# Altium PCB mib-pcb0009.PcbDoc (part 1 of 2)
Units mm, origin at the board's own origin, x right, y up, seen from the top; angles counter-clockwise.
Board outline 112 x 82 mm, 4 copper layers (Top Layer, PWR, Signal_2, Bottom Layer), stack 1.57 mm thick; 199 components, 128 nets, 565 pads, 389 vias.
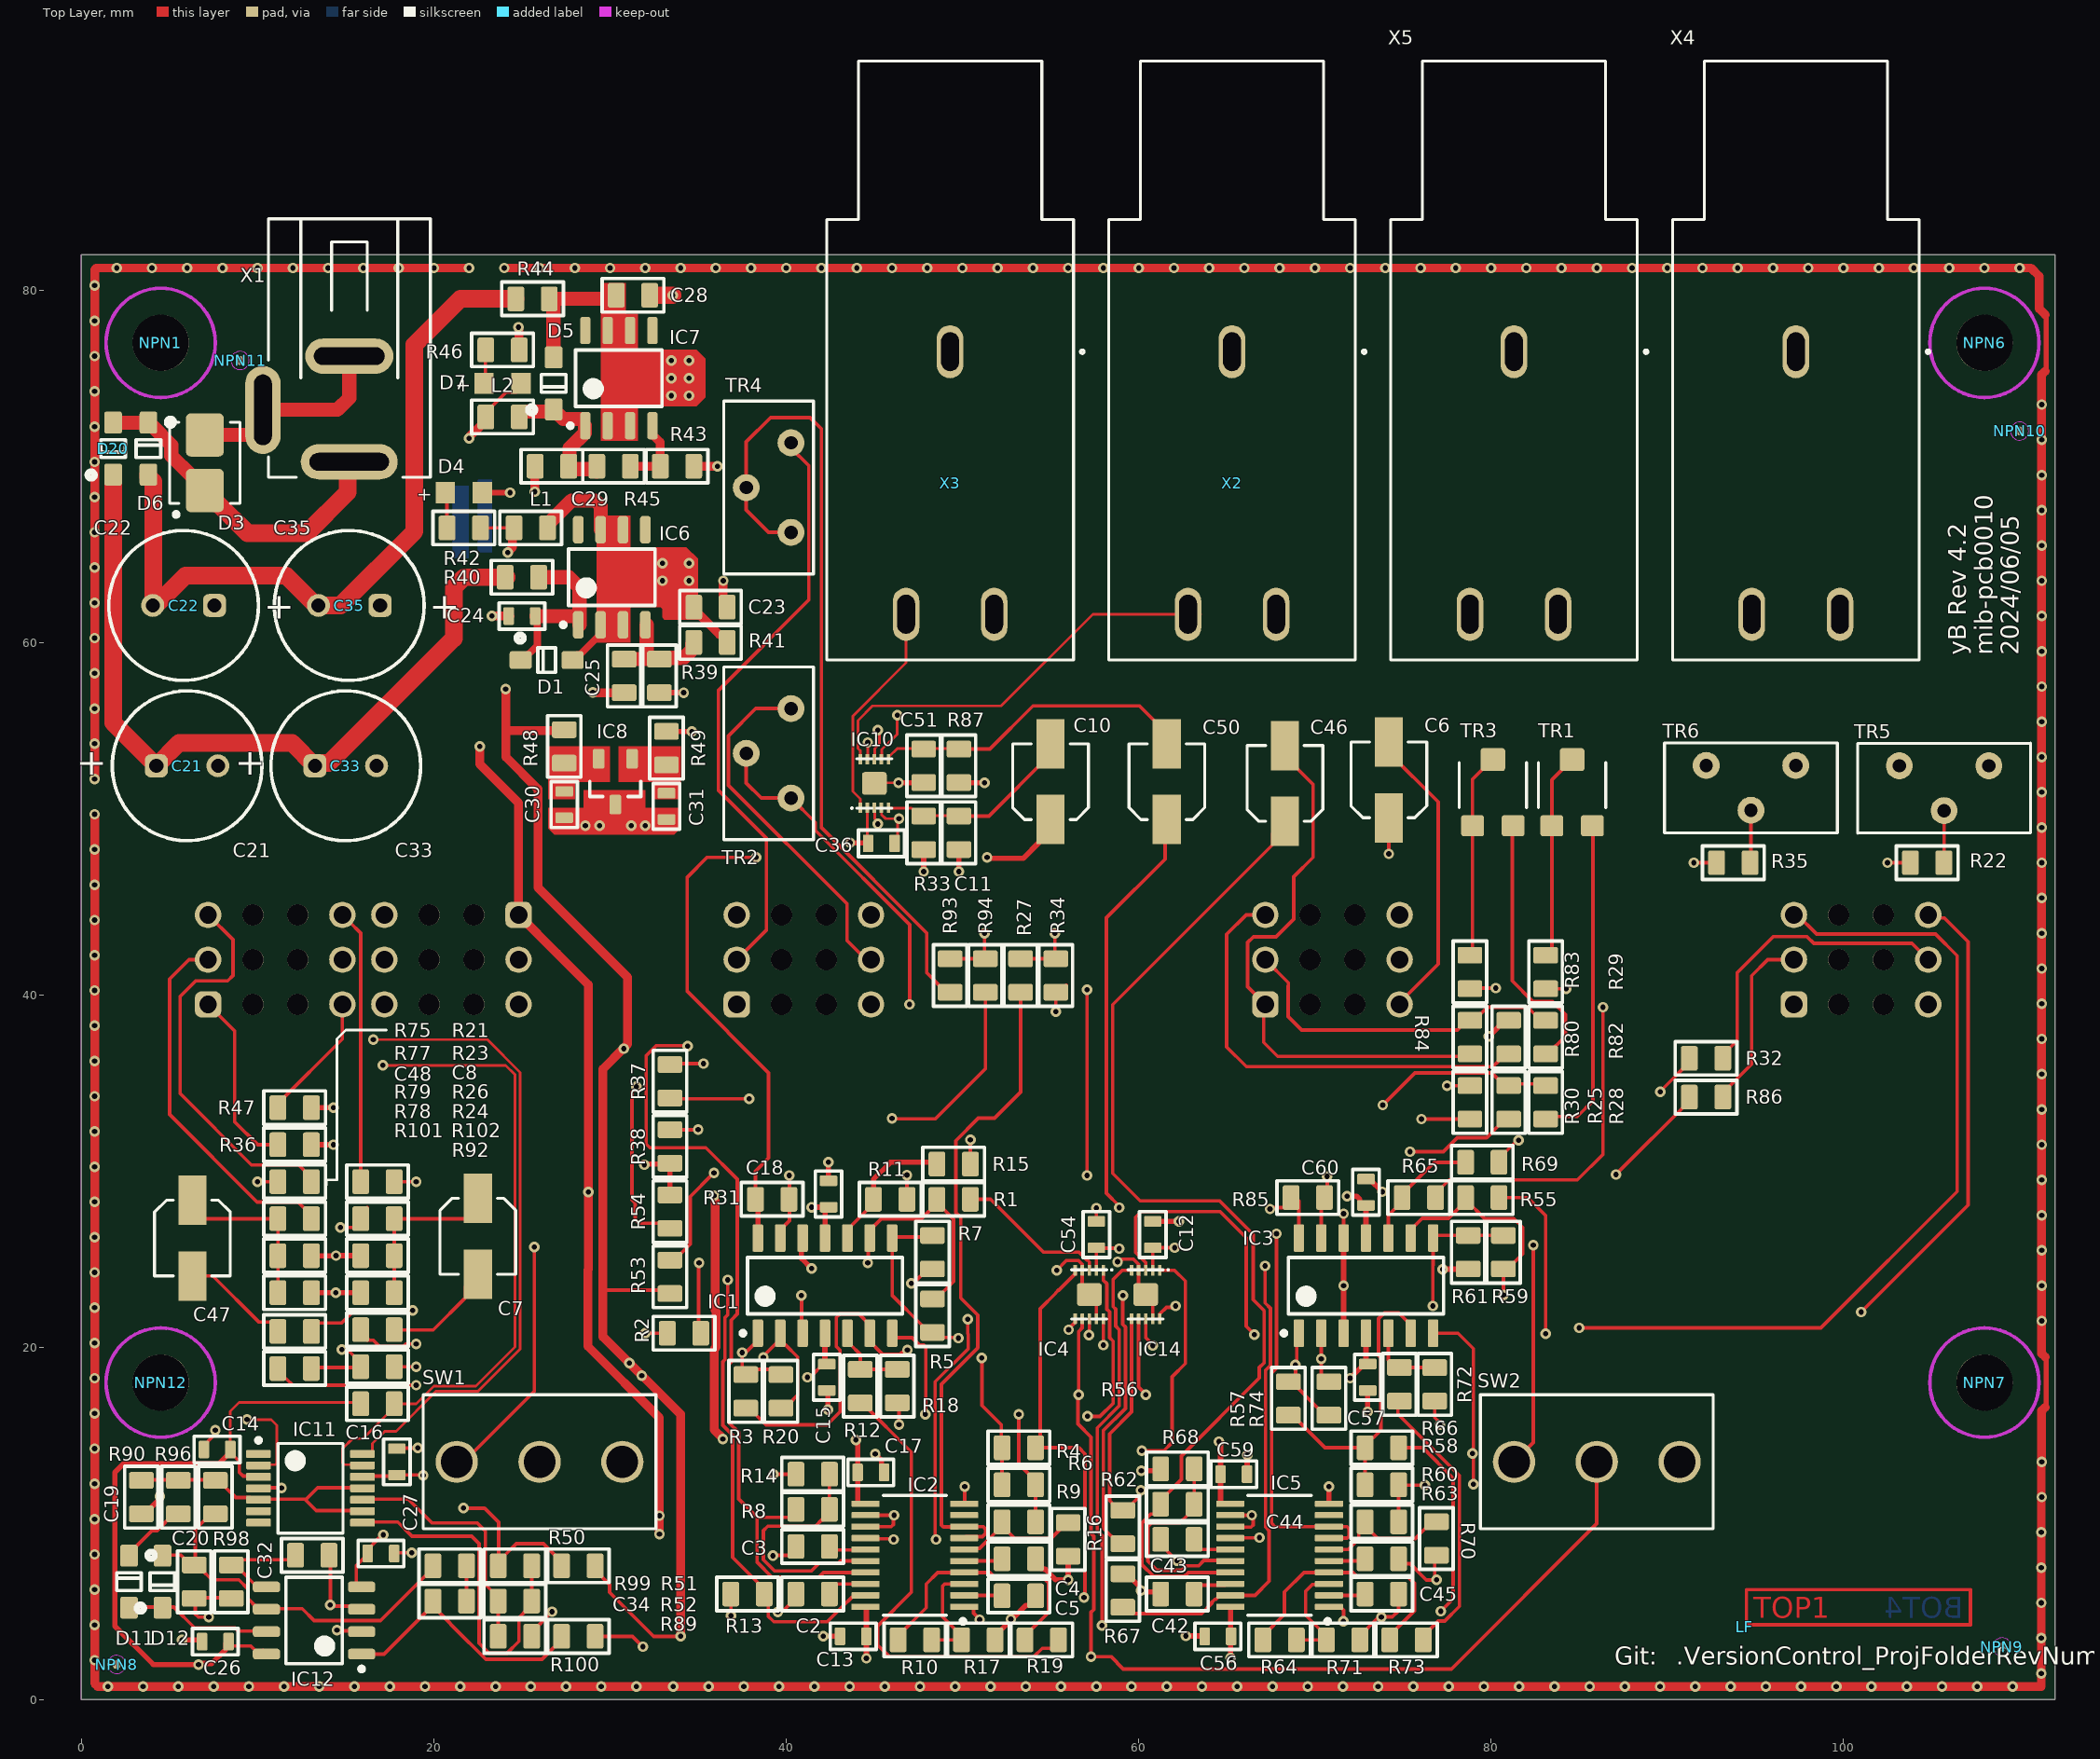
[diagram p0: Top Layer view]
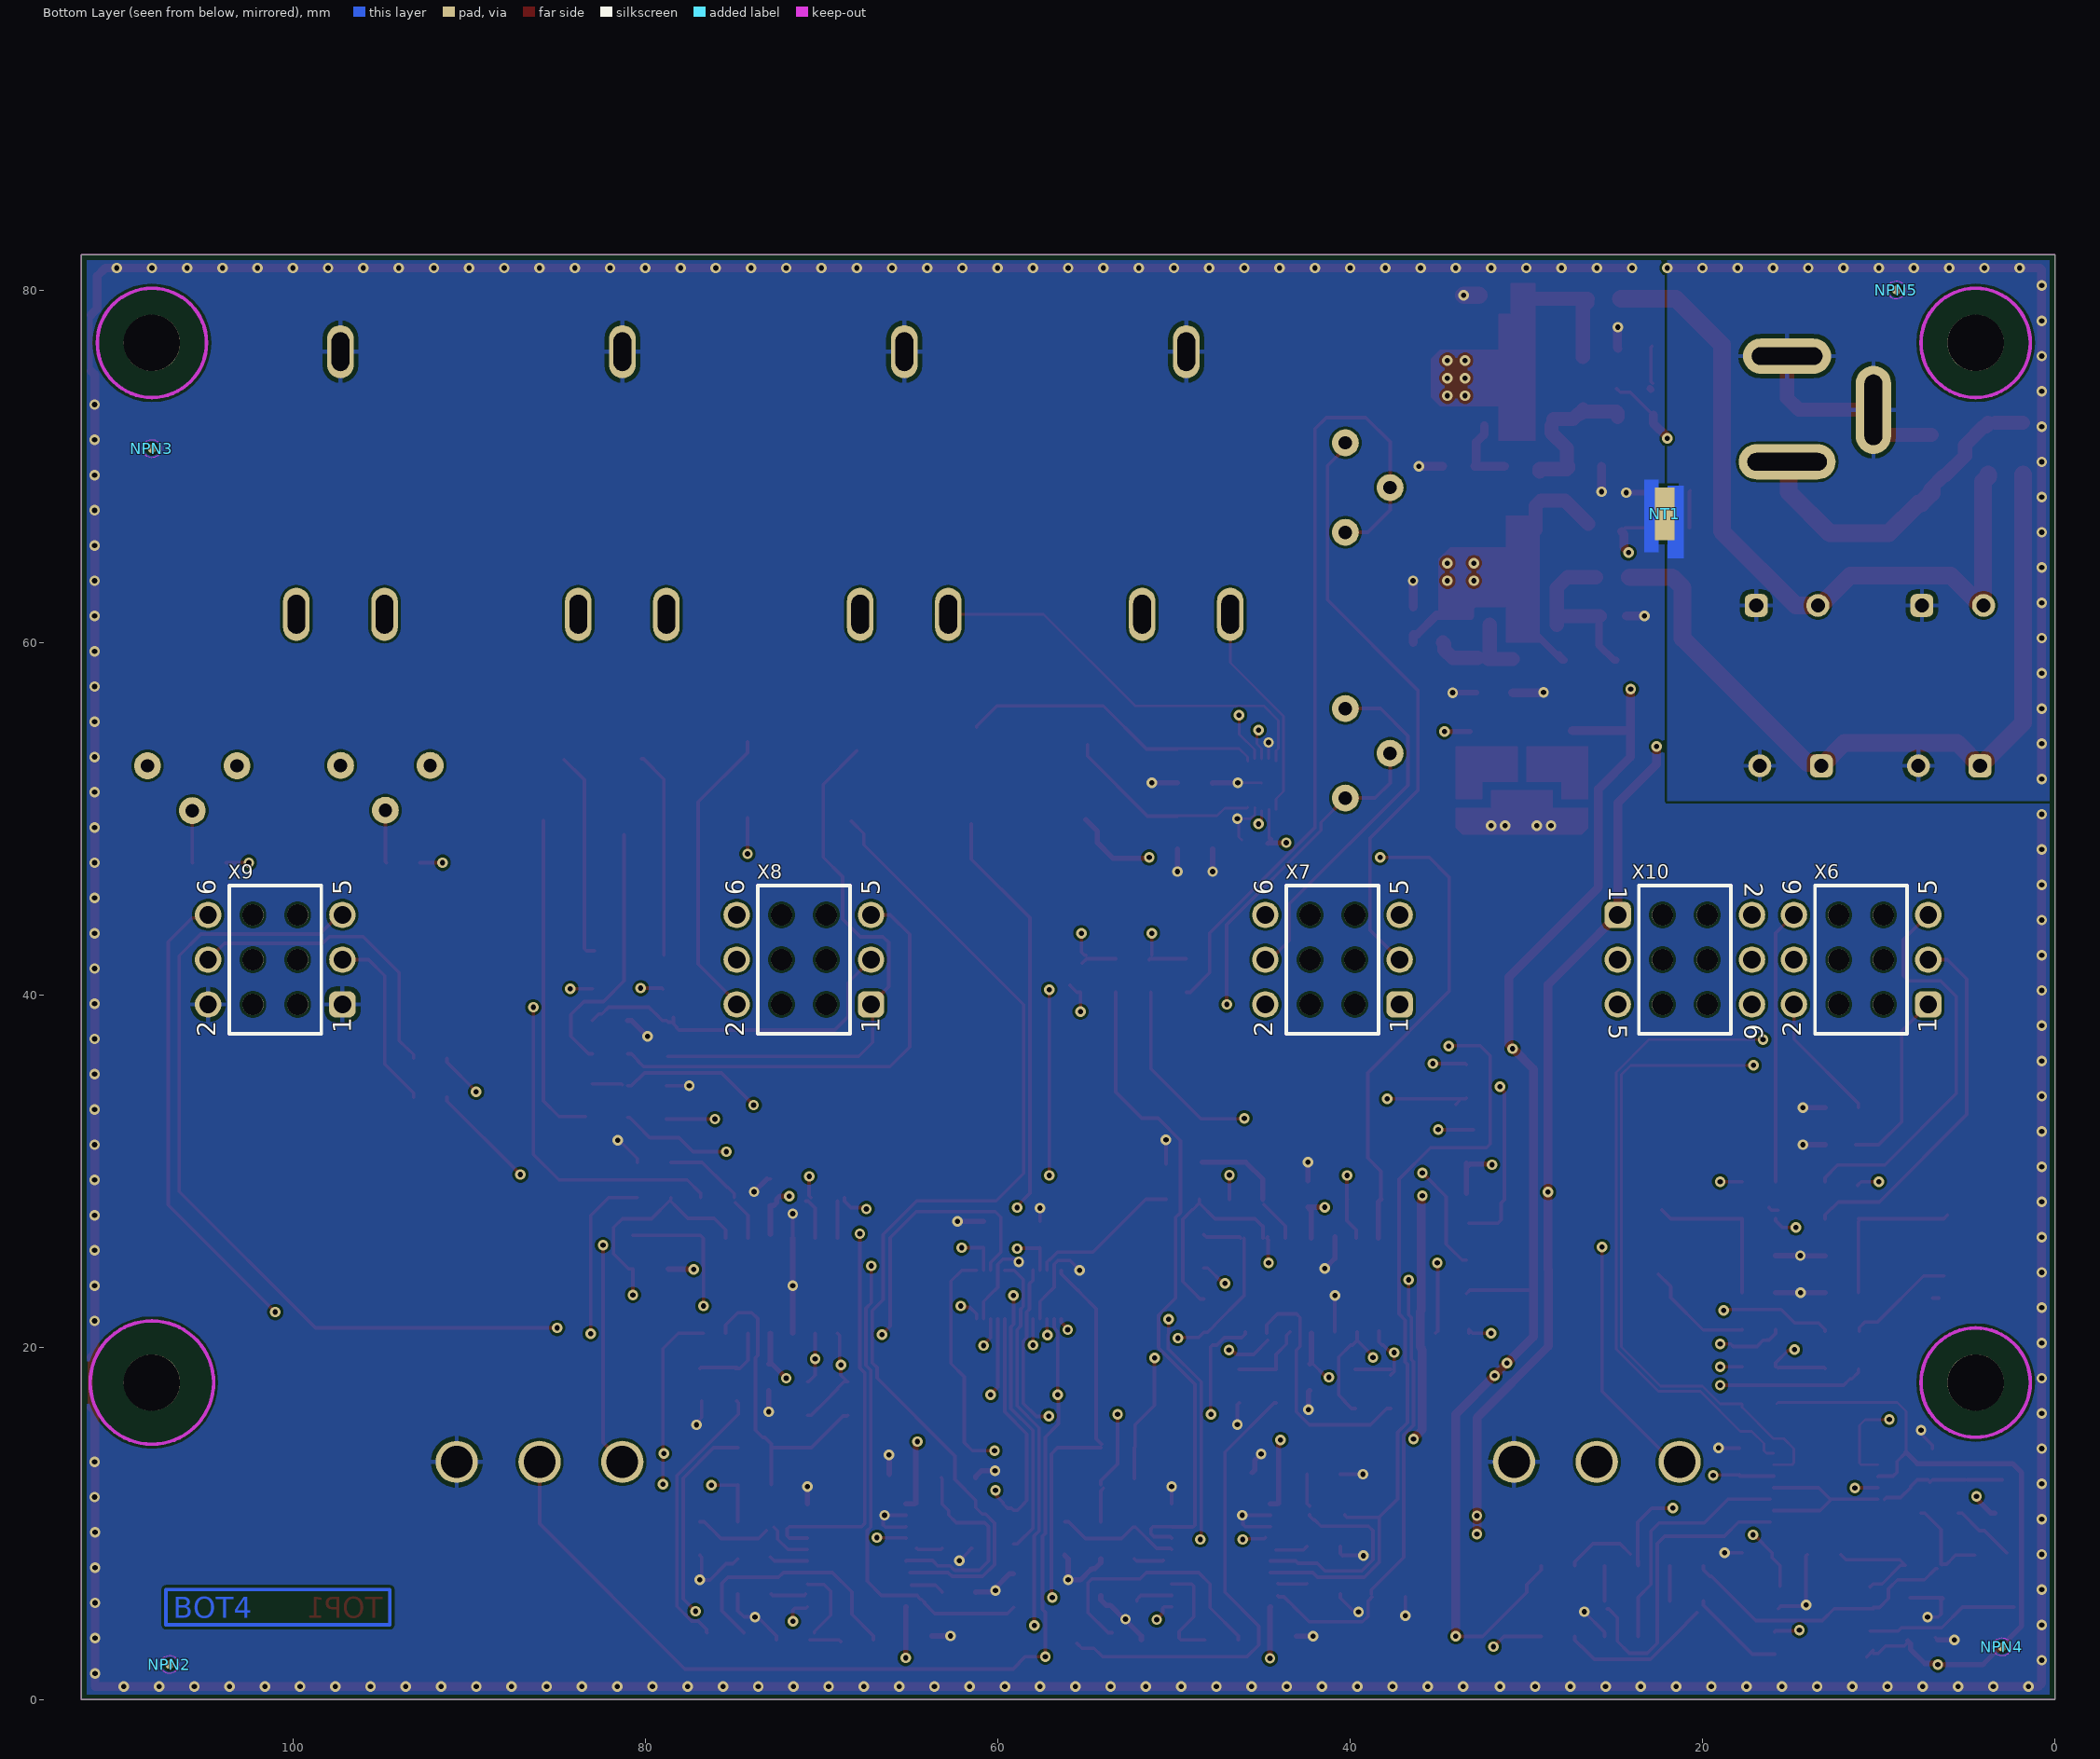
[diagram p1: Bottom Layer view, seen from below]
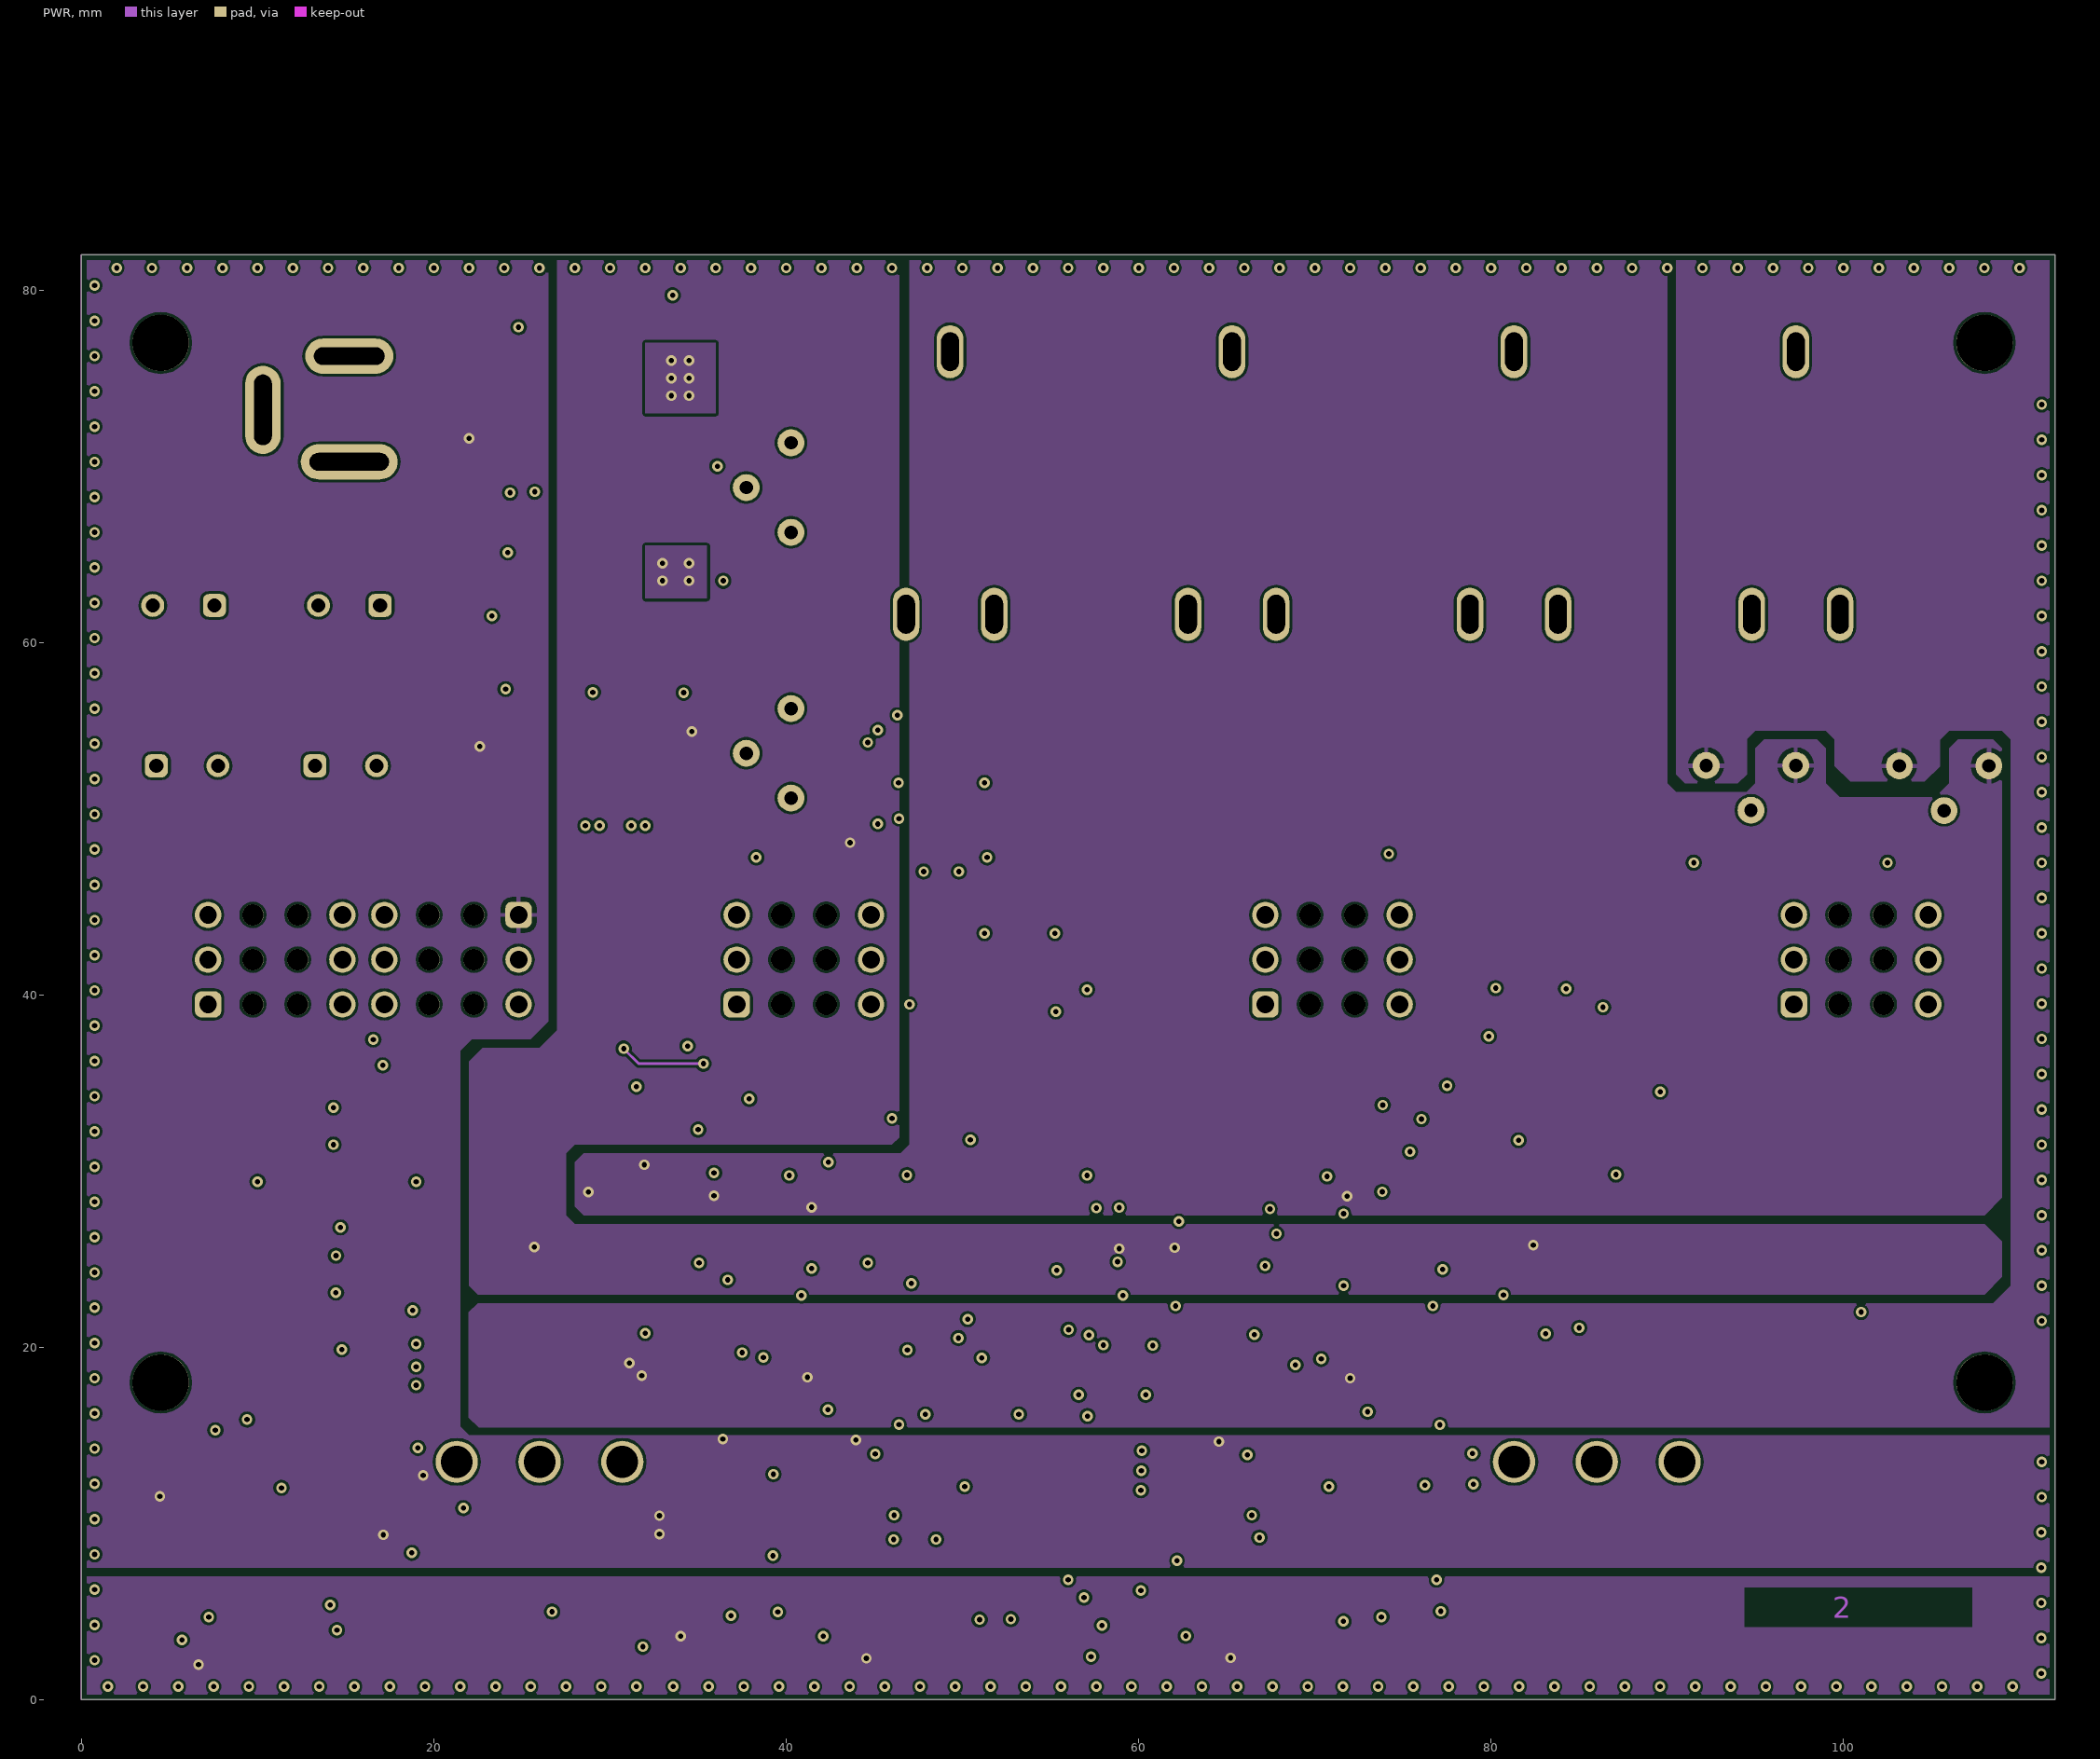
[diagram p2: PWR]